# Altium PCB MU_MP_39_V1.PcbDoc (part 10 of 15) (continued)
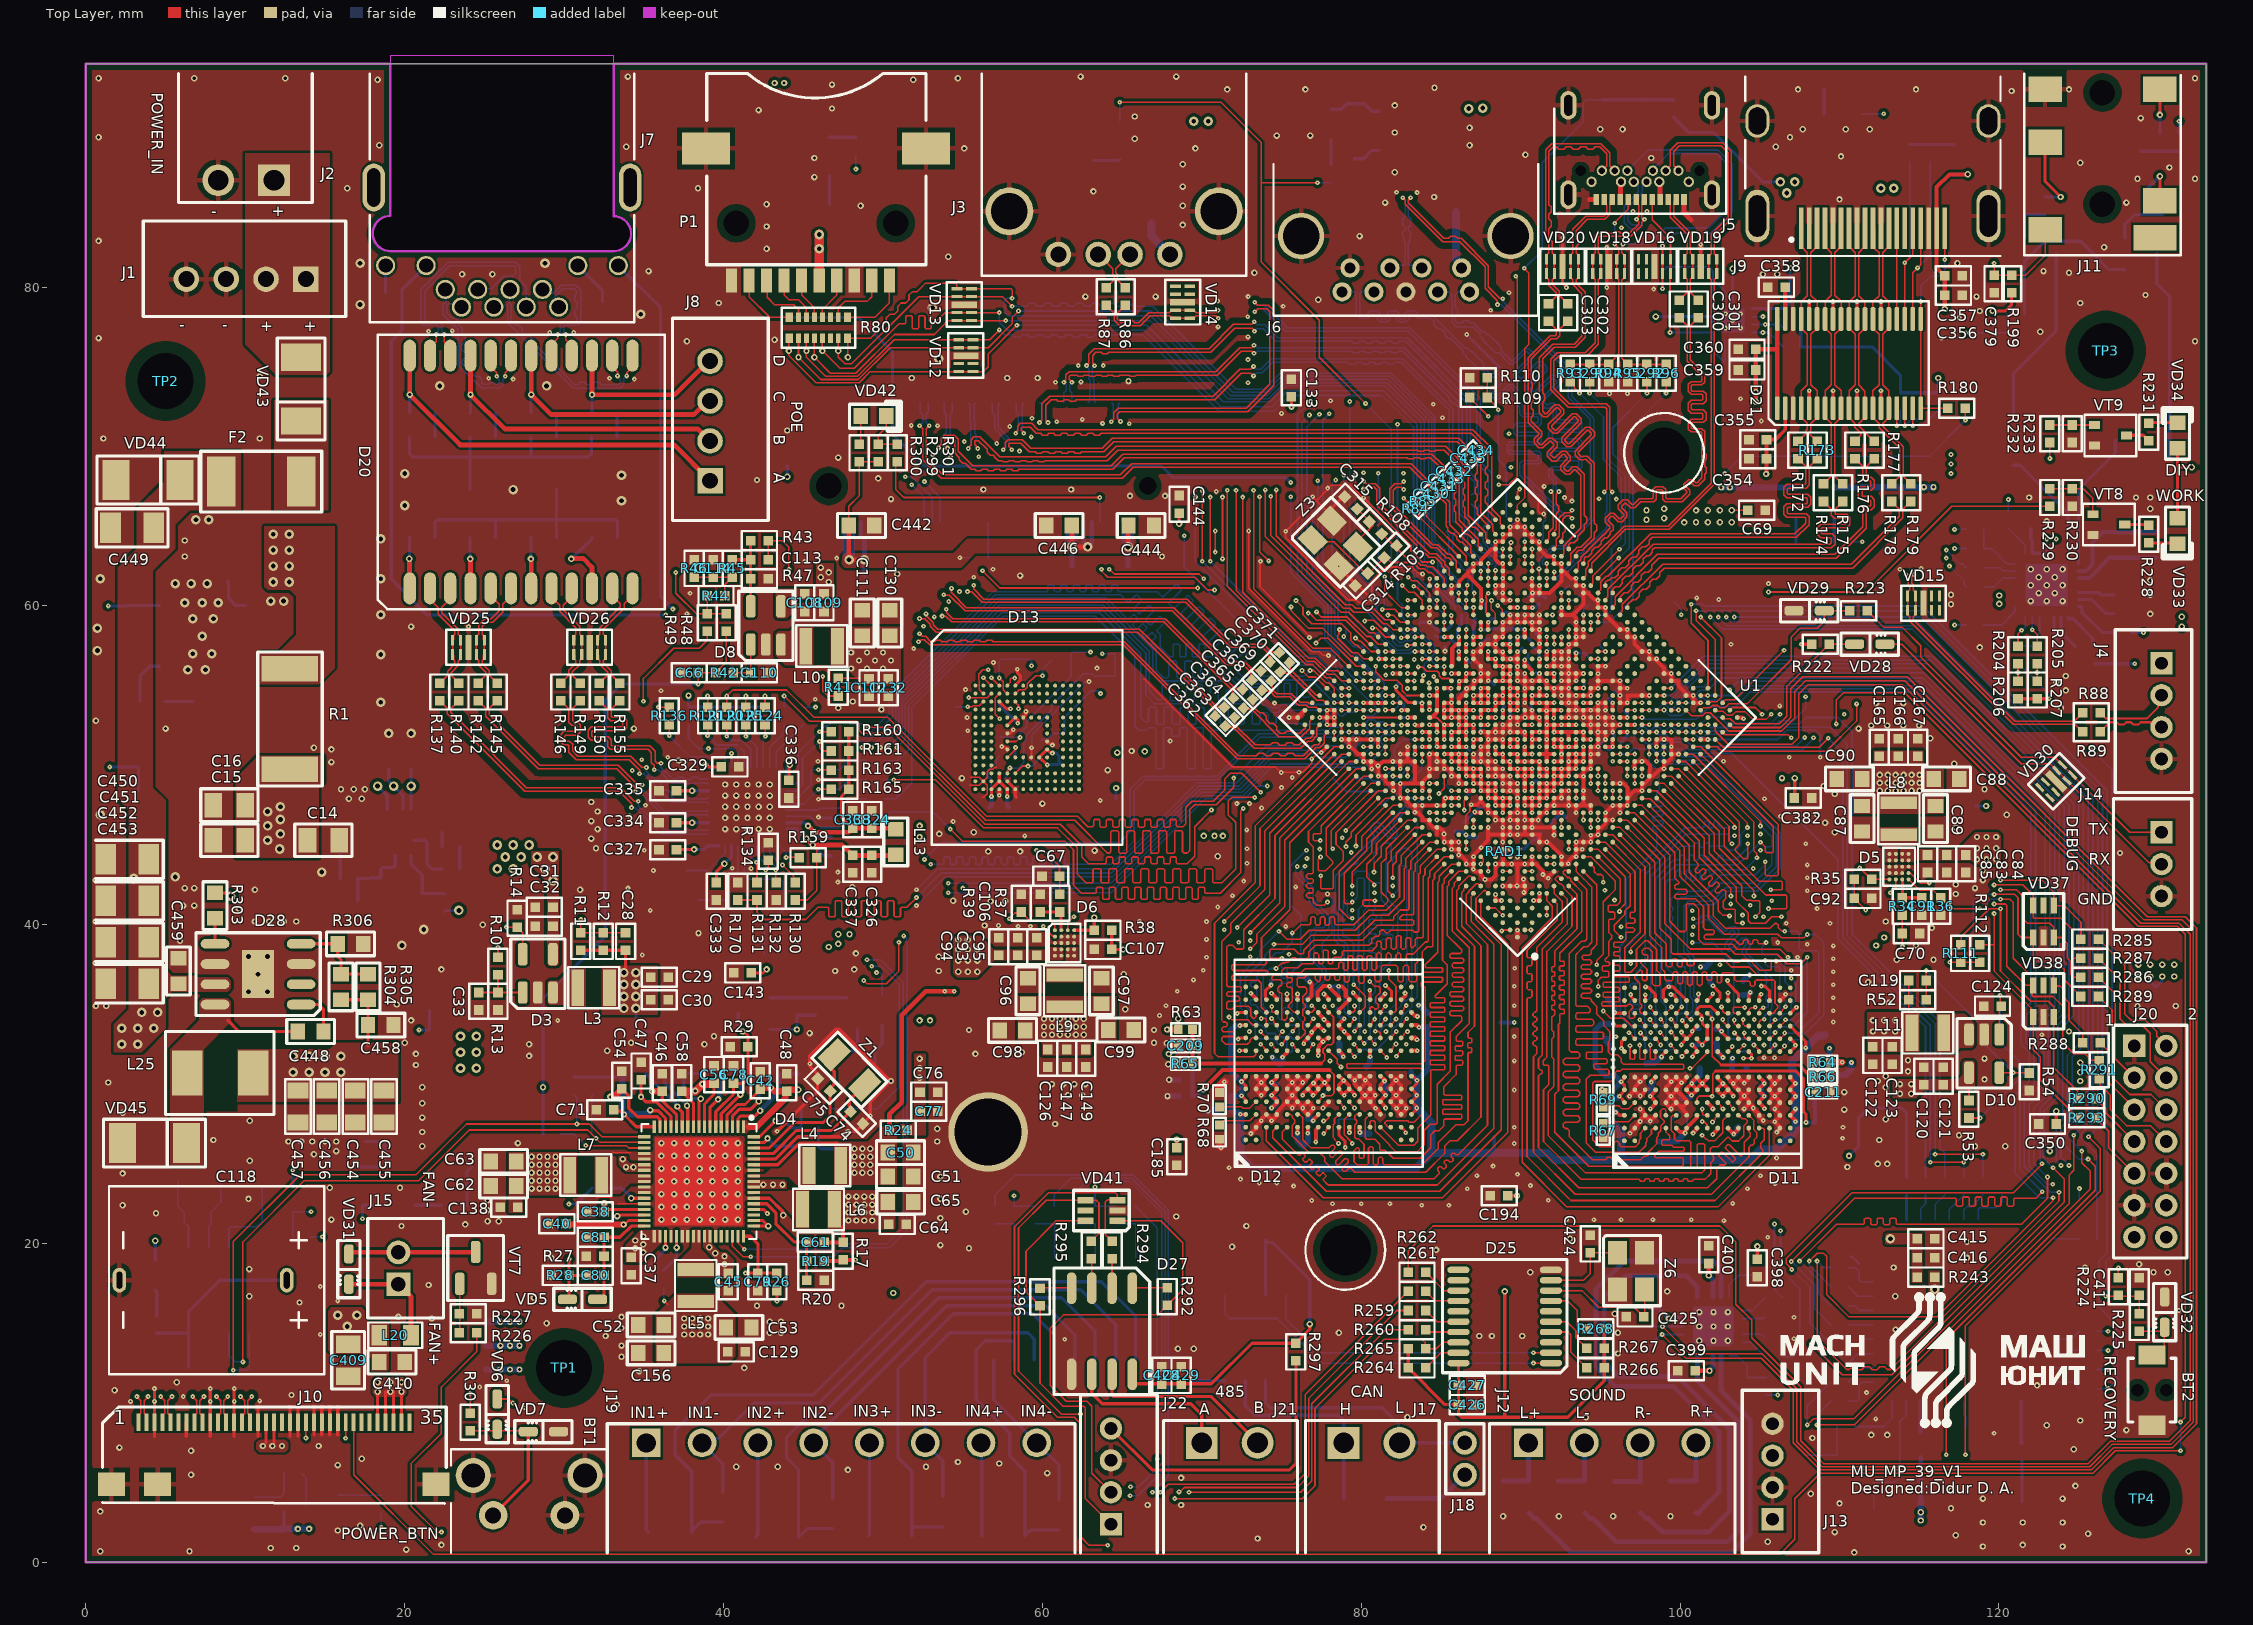
[diagram p0: Top Layer view]
## Nets (pads, with @x,y where several pads share a name; then routed paths per layer and width w, separated by ;. In a path a pad name is that pad's centre, name@x,y a point inside that pad or via, vN(x,y) a via of type N, cw(c..) or ccw(c..) an arc to the next point about the centre after c; other vN are vias at no path point) (continued)
NetC387_1: C387.1 D22.22 | length 2.7
  Bottom Layer w0.2: D22.22@124.35,59.3 124.35,59.217 124.375,59.192 124.658,59.192 125.892,57.958 125.892,57.583 C387.1@126,57.475
NetC388_1: C388.1 D23.20 | length 1.8
  Bottom Layer w0.1: D23.20@103.925,13.8 104.425,13.8 C388.1@105.325,12.9
NetC389_1: C389.1 D22.23 | length 2.2
  Bottom Layer w0.2: D22.23@123.9,59.3 123.9,58.35 124.575,57.675 124.6,57.675 C389.1@124.8,57.475
NetC390_1: C390.1 D22.24 | length 1.9
  Bottom Layer w0.2: D22.24@123.45,59.3 123.45,58.325 123.575,58.2 123.575,57.5 C390.1@123.6,57.475
NetC391_2: C391.2 D22.9 D22.10 | length 2
  Bottom Layer w0.2: C391.2@122,64.85 122,64.15 122.1,64.05 D22.9@122.1,63.3 D22.10@122.55,63.3
NetC396_1: C396.1 D22.19 | length 2.3
  Bottom Layer w0.2: D22.19@125,60.85 126.25,60.85 126.425,60.675 127.175,60.675 C396.1@127.225,60.725
NetC397_1: C397.1 D22.20 | length 2.6
  Bottom Layer w0.2: D22.20@125,60.4 125.825,60.4 126.7,59.525 C397.1@127.225,59.525
NetC412_1: C412.1 D24.2 L21.1 | length 2.7
  Bottom Layer w0.2: D24.2@121.4,10.112 121.4,7.5 C412.1@121.45,7.45
NetC413_1: C413.1 C414.1 D24.23 L24.1
NetC415_1: C415.1 C416.1 D24.22 R243.1
  other v3: 113.2,20.3
NetC421_1: C421.1 R255.1 Z5.3 | length 3.7
  Bottom Layer w0.1: C421.1@108,6.725 Z5.3@109.85,6.725 R255.1@109.85,8.525
NetC424_1: C424.1 D25.9 Z6.1 | length 5.7
  Top Layer w0.1: D25.9@91.9,17.7 93.95,17.7 94.375,18.125 C424.1@94.375,19.425 Z6.1@96.075,19.425
NetC425_1: C425.1 D25.8 Z6.3 | length 8.3
  Top Layer w0.1: D25.8@91.9,17.05 93.85,17.05 94.9,16 97.125,16 C425.1@97.725,15.4 97.775,15.45 Z6.3@97.775,17.125
NetC448_1: C448.1 D28.8 L25.2 VD45.2 | length 4.7
  Top Layer w0.2: 8.9,34 9.6,33.3 C448.1@13.3,33.3
NetC448_2: C448.2 D28.1 | length 2.9
  Top Layer w0.2: D28.1@13.5,34.995 14.605,34.995 14.9,34.7 C448.2@14.9,33.3
NetC460_1: C460.1 D29.6 L26.2 | length 2.5
  Bottom Layer w0.2: C460.1@23.9,22.4 23.9,24.5 L26.2@24.2,24.8
NetC460_2: C460.2 D29.1 | length 1.6
  Bottom Layer w0.2: D29.1@20.65,22.4 C460.2@22.3,22.4
NetC461_2: C461.2 D29.3 R308.1 R310.2 | length 17.4
  POWER_2 w0.2: v1(17.35,21.55) 17.35,29.35 20.9,32.9 v1(20.9,33.4)
  Bottom Layer w0.2: v1(17.35,21.55) 17.35,22.4 R310.2@17.45,22.4 D29.3@18.75,22.4 ; v1(20.9,33.4) C461.2@21.55,33.4 R308.1@21.55,34.6
NetC468_2: C468.2 D29.4 R307.1 R309.2 | length 4.3
  Bottom Layer w0.2: C468.2@17.1,24.8 D29.4@18.75,24.8 R307.1@18.75,26.3 ; R309.2@17.55,26.4 R307.1@18.65,26.4
NetD1_4: D1.4 R3.1 R4.1 R5.2 | length 16.6
  Inner_Layer w0.2: v1(1.4,60) 1.4,50.027 1.5,49.927 v1(1.5,49.9)
  Bottom Layer w0.2: v1(1.4,60) R5.2@2.5,60 2.52,60.02 D1.4@4.6,60.02 ; v1(1.5,49.9) R4.1@3.3,49.9 R3.1@3.3,48.4
NetD1_5: D1.5 R2.2 | length 2.3
  Bottom Layer w0.2: R2.2@8.9,61.55 8.95,61.5 8.95,60.47 9.4,60.02 D1.5@10,60.02
NetD2_3: D2.3 R8.2 | length 12.5
  POWER_2 w0.2: v3(18.3,48.7) 23.4,43.6 v3(23.4,40.9)
  Bottom Layer w0.2: v3(18.3,48.7) 18.9,48.1 D2.3@18.9,47.25 ; R8.2@22.5,40.85 22.55,40.9 v3(23.4,40.9)
NetD2_8: D2.8 R6.1 | length 3.3
  Bottom Layer w0.2: D2.8@20.6,45.3 21.283,45.3 21.4,45.183 21.4,43.8 21.7,43.5 R6.1@22.35,43.5
NetD3_3: D3.3 L3.2
NetD4_25: D4.25 D4.26 L7.1
NetD4_29: D4.29 R18.2 | length 2.5
  Top Layer w0.2: v2(34.207,22.845) D4.29@35.022,22.845
  Bottom Layer w0.2: R18.2@32.85,23.475 33.625,23.475 34.207,22.893 v2(34.207,22.845)
NetD4_39: D4.39 R15.2 | length 2.5
  Top Layer w0.2: v2(37.057,19.745) D4.39@37.057,20.46
  Bottom Layer w0.2: R15.2@36.25,18.325 37.057,19.132 v2(37.057,19.745)
NetD4_42: D4.42 D4.43 L5.1
NetD4_58: D4.58 L6.2
NetD4_61: D4.61 L4.2
NetD5_D3: D5.D3 D5.D4 D5.E3 D5.E4 L8.2
NetD6_D3: D6.D3 D6.D4 D6.E3 D6.E4 L9.2
NetD7_3: D7.3 R40.1 | length 1.5
  Bottom Layer w0.2: R40.1@109.675,64.025 D7.3@109.675,65.525
NetD8_3: D8.3 L10.2
NetD10_3: D10.3 L11.2
NetD13_K5: D13.K5 R79.2 | length 1.4
  Top Layer w0.12: D13.K5@57.8,50.5 57.813,50.5 58.286,50.973 58.286,51.076 v1(58.32,51.11)
  Bottom Layer w0.11: R79.2@58.2,50.6 58.32,50.72 v1(58.32,51.11)
NetD14_3: D14.3 R82.1 | length 1.7
  Bottom Layer w0.2: D14.3@46.65,89.4 48.25,89.4 R82.1@48.3,89.35
NetD15_3: D15.3 R83.1 | length 1.7
  Bottom Layer w0.2: R83.1@63.2,87.95 64.8,87.95 D15.3@64.85,88
NetD16_3: D16.3 R90.1 | length 1.6
  Bottom Layer w0.2: D16.3@109,90.85 109.05,90.9 R90.1@109.05,92.4
NetD18_3: D18.3 R102.1 | length 1.8
  Bottom Layer w0.2: R102.1@79.6,88.05 80.15,88.05 80.667,88.567 81.117,88.567 D18.3@81.15,88.6
NetD18_4: D18.4 R103.1 VD21.2 | length 3.4
  Bottom Layer w0.2: VD21.2@78.1,91.15 78.75,91.15 79.1,91.5 R103.1@79.6,91.5 80.2,91.5 80.667,91.033 81.117,91.033 D18.4@81.15,91
NetD20_1: D20.1 R138.1 | length 3.2
  Top Layer w0.3: D20.1@20.295,61.105 v2@20.295,62.938
  Bottom Layer w0.2: v2(20.28,62.953) 20.3,62.973 R138.1@20.3,64.3
NetD20_4: D20.4 R143.1 | length 3.2
  Top Layer w0.3: D20.4@24.12,61.103 v2@24.12,62.935
  Bottom Layer w0.2: R143.1@24.1,64.3 24.1,62.955 v2(24.105,62.95)
NetD20_7: D20.7 R147.1 | length 3.2
  Top Layer w0.3: D20.7@27.93,61.103 v2@27.93,62.935
  Bottom Layer w0.2: v2(27.915,62.95) 27.915,64.29 R147.1@27.925,64.3
NetD20_10: D20.10 R152.1 | length 4.7
  Top Layer w0.3: v2(30.45,62.95) 30.469,62.969 30.54,62.969 30.546,62.975 31.2,62.975 31.74,62.435 D20.10@31.74,61.103
  Bottom Layer w0.2: v2(30.45,62.95) 31.375,63.875 31.4,63.875 31.75,64.225 R152.1@31.75,64.275
NetD22_1: D22.1 R208.2 | length 2.6
  Bottom Layer w0.1: R208.2@119.025,58.8 120.175,58.8 121,59.625 D22.1@121,59.95
NetD22_5: D22.5 R209.2 | length 2.2
  Bottom Layer w0.1: R209.2@119.05,61.2 119.7,61.2 120.25,61.75 D22.5@121,61.75
NetD22_6: D22.6 R210.2 | length 2
  Bottom Layer w0.1: R210.2@119.05,62.4 120.05,62.4 120.25,62.2 D22.6@121,62.2
NetD22_7: D22.7 R211.2 R212.2 | length 3.5
  Bottom Layer w0.1: R211.2@119.05,64.8 R212.2@119.05,63.6 119.55,63.6 120.5,62.65 D22.7@121,62.65
NetD22_8: D22.8 R213.2 | length 2
  Bottom Layer w0.1: R213.2@120.6,64.85 121.65,63.8 D22.8@121.65,63.3
NetD22_26: D22.26 R214.1 R215.2 | length 3.1
  Bottom Layer w0.1: R214.1@121.2,57.475 122.4,57.475 122.4,58.125 122.55,58.275 D22.26@122.55,59.3
NetD23_2: D23.2 L16.2 | length 27.3
  Bottom Layer w0.3: L16.2@90.525,3.1 90.875,2.75 91.025,2.75 93.175,0.6 103.2,0.6 104.4,1.8 104.4,8.95 102.575,10.775 D23.2@102.575,12.95
NetD23_5: D23.5 L17.2 | length 22.7
  Bottom Layer w0.3: L17.2@94.025,3.1 94.375,2.75 94.55,2.75 96,1.3 103,1.3 103.7,2 103.7,8.775 101.075,11.4 D23.5@101.075,12.95
NetD23_11: D23.11 L15.2 | length 32.8
  Bottom Layer w0.3: L15.2@97.525,3.1 97.875,2.75 98.05,2.75 98.9,1.9 101.8,1.9 103.1,3.2 103.1,8.375 99.813,11.662 96.163,11.662 95.25,12.575 95.25,16.65 96.575,17.975 100.4,17.975 101.075,17.3 D23.11@101.075,16.65
NetD23_14: D23.14 L14.2 | length 30.6
  Bottom Layer w0.3: L14.2@101,3.1 101.15,3.1 101.5,3.45 101.5,3.475 102.45,4.425 102.45,8.15 99.562,11.038 95.938,11.038 94.725,12.25 94.725,17.125 96.5,18.9 102.1,18.9 102.575,18.425 D23.14@102.575,16.65
NetD24_6: D24.6 R244.2 | length 1.6
  Bottom Layer w0.1: D24.6@117.8,10.112 117.8,9.25 117.925,9.125 117.925,8.575 R244.2@117.9,8.55
NetD24_7: D24.7 R245.2 | length 1.6
  Bottom Layer w0.1: R245.2@116.7,8.55 116.7,9.05 116.9,9.25 D24.7@116.9,10.112
NetD24_9: D24.9 L23.2 | length 1.9
  Bottom Layer w0.3: L23.2@115.1,8.2 D24.9@115.1,10.112
NetD24_12: D24.12 R234.2 | length 2.6
  Bottom Layer w0.1: R234.2@110.55,10.1 111.075,10.1 111.25,10.275 111.25,11.125 111.425,11.3 D24.12@112.112,11.3
NetD24_13: D24.13 R235.2 | length 1.9
  Bottom Layer w0.1: R235.2@110.55,11.3 111.45,12.2 D24.13@112.112,12.2
NetD24_14: D24.14 R241.2 | length 1.8
  Bottom Layer w0.1: R241.2@110.55,12.5 111.15,13.1 D24.14@112.112,13.1
NetD24_15: D24.15 R242.2 | length 1.7
  Bottom Layer w0.1: R242.2@110.55,13.7 111.125,13.7 111.425,14 D24.15@112.112,14
NetD24_16: D24.16 R237.2 | length 1.6
  Bottom Layer w0.1: R237.2@110.55,14.9 D24.16@112.112,14.9
NetD24_17: D24.17 R238.2 | length 1.7
  Bottom Layer w0.1: R238.2@110.55,16.1 110.975,16.1 111.275,15.8 D24.17@112.112,15.8
NetD24_18: D24.18 R239.2 | length 1.8
  Bottom Layer w0.1: R239.2@110.55,17.3 111.15,16.7 D24.18@112.112,16.7
NetD24_19: D24.19 R240.2 | length 2.3
  Bottom Layer w0.1: R240.2@110.55,18.5 110.575,18.475 111.025,18.475 111.2,18.3 111.2,17.75 111.35,17.6 D24.19@112.112,17.6
NetD24_21: D24.21 L24.2
NetD24_24: D24.24 R236.2 | length 1.6
  Bottom Layer w0.2: D24.24@114.2,21.488 R236.2@114.2,23.05
NetD24_25: D24.25 R246.2 | length 1.7
  Bottom Layer w0.1: D24.25@115.1,21.488 115.1,22.2 115.4,22.5 R246.2@115.4,23.05
NetD24_26: D24.26 R247.2 | length 1.8
  Bottom Layer w0.1: D24.26@116,21.488 116,22.45 R247.2@116.6,23.05
NetD24_27: D24.27 R248.2 | length 1.9
  Bottom Layer w0.1: D24.27@116.9,21.488 116.9,22.15 R248.2@117.8,23.05
NetD24_28: D24.28 R249.2 | length 2.2
  Bottom Layer w0.1: D24.28@117.8,21.488 117.8,22.125 118,22.325 118.3,22.325 118.75,22.775 118.75,22.8 R249.2@119,23.05
NetD24_34: D24.34 R250.2 | length 1.6
  Bottom Layer w0.1: D24.34@123.488,20.3 R250.2@125.05,20.3
NetD24_41: D24.41 R251.2 | length 1.8
  Bottom Layer w0.1: D24.41@123.488,14 124.55,14 R251.2@125.05,14.5
NetD24_42: D24.42 R252.2 | length 1.6
  Bottom Layer w0.1: D24.42@123.488,13.1 124.3,13.1 124.5,13.3 R252.2@125.05,13.3
NetD24_43: D24.43 R253.2 | length 1.6
  Bottom Layer w0.1: D24.43@123.488,12.2 124.3,12.2 124.4,12.1 R253.2@125.05,12.1
NetD24_44: D24.44 R254.2 | length 1.7
  Bottom Layer w0.1: D24.44@123.488,11.3 124.65,11.3 R254.2@125.05,10.9
NetD25_1: D25.1 D26.1 | length 22.9
  Top Layer w0.1: v1(90.8,12.5) D25.1@91.9,12.5
  Bottom Layer w0.1: D26.1@71.46,16.8 71.46,15.59 71.75,15.3 74.725,15.3 77.525,12.5 v1(90.8,12.5)
NetD25_2: D25.2 D26.4 | length 19
  Top Layer w0.1: v1(90.8,13.15) D25.2@91.9,13.15
  Bottom Layer w0.1: D26.4@75.27,16.8 75.27,15.28 77.4,13.15 v1(90.8,13.15)
NetD25_4: D25.4 R266.1 | length 3.8
  Top Layer w0.1: D25.4@91.9,14.45 92.975,14.45 93.15,14.275 93.15,13.2 R266.1@94.15,12.2
NetD25_5: D25.5 R267.1 | length 3.2
  Top Layer w0.1: D25.5@91.9,15.1 92.9,15.1 93.475,14.525 93.475,14.1 R267.1@94.15,13.425
NetD25_7: D25.7 R268.1 | length 3.5
  Top Layer w0.1: D25.7@91.9,16.4 92.95,16.4 93.55,15.8 93.55,14.85 93.75,14.65 R268.1@94.15,14.65
NetD25_19: D25.19 R264.1 | length 2.4
  Top Layer w0.1: R264.1@84.05,12.2 85,13.15 85.225,13.15 D25.19@86.1,13.15
NetD26_8: D26.8 R263.1 | length 2
  Bottom Layer w0.2: R263.1@69.425,11.4 D26.8@71.46,11.4
NetD27_1: D27.1 R292.2 | length 2.2
  Top Layer w0.1: D27.1@65.64,17.2 65.665,17.225 R292.2@67.825,17.225
NetD27_2: D27.2 R294.2 | length 2.3
  Top Layer w0.1: D27.2@64.37,16.6 64.37,18.87 R294.2@64.375,18.875
NetD27_3: D27.3 R295.2 | length 2.3
  Top Layer w0.1: D27.3@63.1,16.6 63.1,18.85 R295.2@63.125,18.875
NetD27_4: D27.4 R296.2 | length 2
  Top Layer w0.1: R296.2@59.85,17.225 61.805,17.225 D27.4@61.83,17.2
NetD28_4: D28.4 R304.1 R305.1 R306.2 | length 6
  Top Layer w0.2: D28.4@13.5,38.805 15.795,38.805 R306.2@15.8,38.8 15.8,38 16,37.8 R304.1@16,36.9 R305.1@17.7,36.9
NetD28_5: D28.5 R303.2 | length 1.6
  Top Layer w0.2: D28.5@8.1,38.805 R303.2@8.1,40.4
NetF1_1: F1.1 VD1.2
NetF2_1: F2.1 VD43.2
NetJ7_9: J7.9 R166.1 | length 1.7
  Bottom Layer w0.2: R166.1@18.8,79.65 J7.9@18.8,81.35
NetJ7_11: J7.11 R169.1 | length 2.9
  Bottom Layer w0.2: J7.11@30.86,81.35 32.4,79.81 R169.1@32.4,79.1
NetJ18_2: J18.2 R258.2 | length 5.5
  Bottom Layer w0.3: R258.2@81.6,4 85,4 J18.2@86.5,5.5
NetJ20_2: J20.2 R285.1 | length 9
  Top Layer w0.1: R285.1@126.25,39.1 127.9,37.45 127.9,34.4 128.3,34 129.2,34 129.9,33.3 129.9,33 J20.2@130.5,32.4
NetJ20_3: J20.3 R286.2 | length 7.2
  Top Layer w0.1: R286.2@126.25,36.7 127.3,35.65 127.3,31.6 J20.3@128.5,30.4
NetJ20_4: J20.4 R287.1 | length 9.8
  Top Layer w0.1: R287.1@126.25,37.9 127.6,36.55 127.6,34.1 128,33.7 129,33.7 129.5,33.2 129.5,31.4 J20.4@130.5,30.4
NetJ20_5: J20.5 R288.2 | length 5.1
  Top Layer w0.1: R288.2@126.35,32.6 126.9,32.05 126.9,30.1 127.5,29.5 128.5,28.5 J20.5@128.5,28.4
NetJ20_6: J20.6 R289.1 | length 9.6
  Top Layer w0.1: R289.1@126.25,35.5 127.1,34.65 127.1,30.456 128.206,29.35 129.55,29.35 J20.6@130.5,28.4
NetJ20_7: J20.7 R290.2 | length 3.7
  Top Layer w0.1: R290.2@126.05,29.1 126.7,28.45 126.7,28.2 J20.7@128.5,26.4
NetJ20_8: J20.8 R291.1 | length 6.6
  Top Layer w0.1: R291.1@126.3,30.35 126.341,30.309 126.341,29.959 127,29.3 127,28.4 128,27.4 129.5,27.4 J20.8@130.5,26.4
NetJ20_9: J20.9 R293.2 | length 4.5
  Top Layer w0.1: R293.2@126.05,27.9 126.9,27.05 126.9,26 J20.9@128.5,24.4
NetJ22_4: J22.4 R297.2 | length 19.3
  Top Layer w0.2: J22.4@64.3,8.4 66.9,5.8 75.5,5.8 75.9,6.2 R297.2@75.9,12.65
NetJ23_38: J23.38 R298.1 | length 2.2
  Bottom Layer w0.1: R298.1@56.6,63.025 J23.38@56.6,65.25
NetP1_1: P1.1 R80.7 | length 3.8
  Top Layer w0.1: P1.1@42.7,80.4 42.741,80.359 42.741,79.359 43.2,78.9 44.4,78.9 44.7,78.6 R80.7@44.7,78.1
NetP1_2: P1.2 R80.6 | length 3.2
  Top Layer w0.1: P1.2@43.8,80.4 43.8,79.5 44.1,79.2 44.7,79.2 45.2,78.7 R80.6@45.2,78.1
NetP1_3: P1.3 R80.5 | length 2.6
  Top Layer w0.1: P1.3@44.9,80.4 44.9,79.5 45.7,78.7 R80.5@45.7,78.1
NetP1_5: P1.5 R80.4 | length 2.7
  Top Layer w0.1: R80.4@46.2,78.1 46.2,78.6 47.1,79.5 P1.5@47.1,80.4
NetP1_7: P1.7 R80.2 | length 4
  Top Layer w0.1: R80.2@47.2,78.1 47.2,78.7 47.6,79.1 49,79.1 49.3,79.4 P1.7@49.3,80.4
NetP1_8: P1.8 R80.1 | length 4.4
  Top Layer w0.1: R80.1@47.775,78.1 49.5,78.1 50.4,79 P1.8@50.4,80.4
NetP1_9: P1.9 R80.8 | length 4.1
  Top Layer w0.1: P1.9@41.6,80.4 41.6,79.4 42.9,78.1 R80.8@44.125,78.1
NetR21_2: R21.2 VD4.2 | length 1.5
  Bottom Layer w0.2: R21.2@37.5,31.775 VD4.2@37.5,33.275
NetR32_1: R32.1 R33.2 VT2.1 | length 2.5
  Bottom Layer w0.2: R33.2@47.3,32.075 R32.1@48.4,32.075 VT2.1@48.4,33.425
NetR50_2: R50.2 VD9.2 | length 1.6
  Bottom Layer w0.2: VD9.2@4.35,17.075 4.45,16.975 R50.2@4.45,15.475
NetR76_2: R76.2 U1.L29 | length 1.3
  Top Layer w0.25: v1@81.099,56.677 U1.L29@81.527,56.677
  Bottom Layer w0.2: R76.2@80.838,57.464 81.1,57.202 81.1,56.678 v1(81.099,56.677)
NetR84_2: R84.2 U1.AC31 | length 3.8
  Top Layer w0.1: R84.2@83.619,65.906 83.602,65.888 83.602,65.782 83.619,65.764 83.619,65.615 U1.AC31@86.123,63.112
NetR85_2: R85.2 U1.AC30 | length 4.8
  Top Layer w0.1: R85.2@84.094,66.381 84.077,66.363 84.077,66.257 84.094,66.239 84.094,65.606 86.583,63.117 U1.AC30@86.583,62.652
NetR97_1: R97.1 U1.AG18 | length 1.2
  Top Layer w0.11: U1.AG18@93.937,58.975 v1(93.937,59.435)
  Bottom Layer w0.11: v1(93.937,59.435) 93.95,59.448 93.95,59.75 R97.1@94.282,60.082
NetR98_2: R98.2 U1.AE21 | length 0.4
  Top Layer w0.11: U1.AE21@91.638,59.435 v1(92.002,59.435)
NetR99_1: R99.1 U1.AG20 | length 1.3
  Top Layer w0.11: U1.AG20@93.017,59.894 v1@93.018,60.353
  Bottom Layer w0.11: v1(93.018,60.354) 93.404,60.354 R99.1@93.707,60.657
NetR100_2: R100.2 U1.AG21 | length 1.2
  Top Layer w0.11: v1(92.543,60.823) 92.558,60.809 U1.AG21@92.558,60.354
  Bottom Layer w0.11: v1(92.543,60.823) 93.012,61.292 R100.2@93.063,61.293
NetR101_2: R101.2 VD21.1 | length 1.6
  Bottom Layer w0.2: R101.2@78.1,87.65 VD21.1@78.1,89.25
NetR104_1: R104.1 U1.U31 | length 70
  Top Layer w0.1: v1(82.925,60.35) 82.929,60.354 U1.U31@83.365,60.354
  Inner_Layer w0.1: v1(49.3,37.4) 49.3,46.4 53,50.1 53,56.2 56.6,59.8 65.4,59.8 69.95,64.35 78.175,64.35 82.175,60.35 v1(82.925,60.35)
  Bottom Layer w0.1: R104.1@45.95,28.45 49.65,28.45 51.025,29.825 51.025,36.25 49.875,37.4 v1(49.3,37.4)
NetR105_1: R105.1 R108.1 U1.Y30 | length 5.4
  Top Layer w0.1: R108.1@81.393,64.432 82.107,63.718 82.143,63.718 82.926,62.935 83.343,62.935 83.734,62.544 84.056,62.544 84.151,62.449 84.481,62.449 85.204,61.726 U1.Y30@85.204,61.273
NetR171_2: R171.2 U1.AF15 | length 1
  Top Layer w0.11: U1.AF15@94.856,57.137 v1@95.315,57.137
  Bottom Layer w0.11: R171.2@94.995,57.559 94.995,57.458 v1(95.316,57.137)
NetR180_1: R180.1 U1.AE15 | length 33.8
  Top Layer w0.1: v1(117.9,71.65) R180.1@117.9,72.4
  Top Layer w0.11: U1.AE15@94.396,56.677 v1@94.855,56.677
  Inner_Layer w0.1: v1(94.856,56.678) 95.337,56.678 95.714,56.301 96.001,56.301 98.8,59.1 98.8,64.3 v1(102.8,68.3)
  Bottom Layer w0.1: v1(102.8,68.3) 103.9,69.4 115.65,69.4 v1(117.9,71.65)
NetR187_1: R187.1 R188.2 VT3.1 | length 3.3
  Bottom Layer w0.1: VT3.1@10.55,4.075 12.2,4.075 R187.1@12.425,4.3 R188.2@12.425,5.6
NetR188_1: R188.1 VT4.3 | length 2.2
  Bottom Layer w0.1: R188.1@13.525,5.6 13.825,5.3 VT4.3@13.825,3.55
NetR189_2: R189.2 R190.2 VT4.1 | length 2.7
  Bottom Layer w0.1: VT4.1@15.825,4.2 R189.2@18.525,4.2
NetR191_1: R191.1 U1.G21 | length 7.2
  Top Layer w0.254: U1.G21@83.365,51.162 83.366,51.14 83.366,50.718 83.375,50.708 v1(83.375,50.696)
  Bottom Layer w0.11: R191.1@78.225,49.2 79.075,48.35 81.451,48.35 83.272,50.171 83.272,50.542 83.375,50.644 v1(83.375,50.696)
NetR195_2: R195.2 R202.2 VT5.2 | length 2.7
  Bottom Layer w0.2: VT5.2@121.6,83.1 R202.2@121.6,84.55 R195.2@122.9,84.55
NetR196_2: R196.2 R203.2 VT6.2 | length 3.5
  Bottom Layer w0.2: VT6.2@127.9,83.1 127.9,83.925 128.525,84.55 R196.2@129.2,84.55 R203.2@130.3,84.55
NetR226_1: R226.1 R227.2 VT7.1 | length 3.1
  Top Layer w0.1: R226.1@23.425,14.4 23.45,14.425 VT7.1@23.45,17.475
NetR228_1: R228.1 VT8.3 | length 1.5
  Top Layer w0.1: R228.1@129.35,65.1 R228.1@129.4,65.05
  Top Layer w0.2: VT8.3@127.9,65.1 R228.1@129.35,65.1
NetR228_2: R228.2 VD33.2 | length 1.8
  Top Layer w0.1: VD33.2@131.15,63.95 VD33.2@131.2,63.9
  Top Layer w0.2: R228.2@129.4,63.95 VD33.2@131.15,63.95
NetR229_1: R229.1 R230.2 VT8.1 | length 3.9
  Top Layer w0.1: R229.1@123.2,67.35 125.3,67.35 125.9,66.75 VT8.1@125.9,65.75
NetR231_1: R231.1 VT9.3 | length 1.5
  Top Layer w0.2: VT9.3@128,70.7 129.05,70.7 R231.1@129.4,70.35
NetR231_2: R231.2 VD34.2 | length 1.8
  Top Layer w0.2: R231.2@129.4,71.45 129.45,71.5 VD34.2@131.2,71.5
NetR232_1: R232.1 R233.2 VT9.1 | length 2.8
  Top Layer w0.1: R232.1@123.2,71.35 VT9.1@126,71.35
NetR271_1: R271.1 R273.1 U2.1 VD35.2 | length 45.4
  Bottom Layer w0.2: R271.1@38,1.875 R271.1@38,1.975 ; VD35.2@39.95,2.525 38.55,2.525 R271.1@38,1.975 ; U2.1@65.845,12.7 65.845,15.455 63.7,17.6 52.7,17.6 45.6,10.5 39.2,10.5 36.95,8.25 36.95,6.775 38,5.725 R273.1@38,4.575 R271.1@38,1.975
NetR272_1: R272.1 R275.1 U2.3 VD36.2 | length 34.6
  Bottom Layer w0.2: VD36.2@46.85,2.125 45.25,2.125 R275.1@44.7,1.575 R272.1@44.7,4.275 44.7,5.825 43.95,6.575 43.95,7.85 45.4,9.3 46.2,9.3 53.5,16.6 61.2,16.6 63.305,14.495 U2.3@63.305,12.7
NetR278_1: R278.1 R279.1 U2.5 VD39.2 | length 26.9
  Bottom Layer w0.2: 51.475,12.675 50.95,12.15 ; R279.1@51.8,1.675 R279.1@51.8,2.275 ; VD39.2@53.75,2.225 51.85,2.225 R279.1@51.8,2.275 ; U2.5@60.765,12.7 60.765,14.235 59.4,15.6 54.4,15.6 50.95,12.15 ; 50.95,12.15 50.95,6.575 51.8,5.725 R278.1@51.8,4.375 R279.1@51.8,2.275
NetR282_1: R282.1 R283.1 U2.7 VD40.2 | length 19
  Bottom Layer w0.2: U2.7@58.225,12.7 58.213,12.712 58.213,13.783 58.096,13.9 56.4,13.9 55.85,13.35 55.85,10.2 57.95,8.1 57.95,6.675 58.9,5.725 R282.1@58.9,4.425 R283.1@58.9,1.675 59.25,2.025 VD40.2@61.05,2.025
NetR299_1: R299.1 R301.1 VD42.2 | length 3.2
  Top Layer w0.1: VD42.2@50.2,71.9 50.2,71.2 49.7,70.7 R299.1@49.7,70.15 R301.1@50.9,70.15
NetR300_1: R300.1 VD42.1 | length 1.8
  Top Layer w0.1: R300.1@48.5,70.15 48.6,70.25 VD42.1@48.6,71.9
OPTO_IN1: R269.1 R274.1 U2.16 | length 3.4
  Bottom Layer w0.1: R269.1@64.625,21.25 R274.1@65.825,21.25 65.845,21.23 U2.16@65.845,19.1
OPTO_IN2: R281.1 R284.1 U2.10 | length 3.4
  Bottom Layer w0.1: R284.1@57.025,21.25 R281.1@58.225,21.25 U2.10@58.225,19.1
OPTO_IN3: R277.1 R280.1 U2.12 | length 3.4
  Bottom Layer w0.1: R277.1@59.55,21.25 R280.1@60.75,21.25 60.765,21.235 U2.12@60.765,19.1
OPTO_IN4: R270.1 R276.1 U2.14 | length 3.5
  Bottom Layer w0.1: R276.1@62,21.25 R270.1@63.3,21.25 63.305,21.245 U2.14@63.305,19.1
OTP_OUT_H: U1.P26 VD8.1 | length 61.4
  Top Layer w0.11: v1(83.827,56.678) U1.P26@84.285,56.677
  Inner_Layer w0.1: v1(49.6,37) 49.6,46.4 53.2,50 53.2,56.1 56.7,59.6 65.5,59.6 70.05,64.15 78.075,64.15 82.45,59.775 83.127,59.775 83.425,59.477 83.425,58.9 84.127,58.198 84.127,57.473 83.827,57.172 v1(83.827,56.678)
  Bottom Layer w0.102: v1(49.6,37) 49.617,36.983 49.808,36.983 49.95,36.841 VD8.1@49.95,35.6
PCIE_CLKREQ: J23.52 U1.AE6 | length 116.8
  Top Layer w0.1: U1.AE6@98.533,52.54 v1@98.991,52.54
  POWER_1 w0.1: v1(51.4,68.1) 50.6,68.9 50.6,71.8 51.7,72.9 65.5,72.9 66.8,71.6 78.9,71.6 80.1,70.4 90.7,70.4 91.9,71.6 91.9,73.6 92.6,74.3 101.4,74.3 102.8,72.9 102.8,70.9 103.3,70.4 117.4,70.4 118,69.8 118,66.9 116,64.9 116,62 110.3,56.3 v1(110.3,53.2)
  Inner_Layer w0.1: v1(98.992,52.542) 98.992,52.083 100.125,50.95 109.55,50.95 110.3,51.7 v1(110.3,53.2)
  Bottom Layer w0.1: v1(51.4,68.1) 51.8,68.1 53.1,66.8 J23.52@53.1,65.25
PCIE_REF_CLK_N: C431.1 U1.AD30 | length 5.1
  Top Layer w0.08: C431.1@85.069,67.306 85.069,67.185 85,67.116 85,67.05 85.555,66.495 85.555,65.095 86.887,63.763 86.887,63.326 87.042,63.171 U1.AD30@87.042,63.112
PCIE_REF_CLK_P: C430.1 U1.AD31 | length 4.5
  Top Layer w0.08: C430.1@84.594,66.831 84.715,66.831 84.771,66.887 84.838,66.887 85.325,66.4 85.325,65 85.4,64.925 85.428,64.897 85.428,64.761 85.64,64.549 85.776,64.549 85.988,64.337 85.988,64.202 86.2,63.99 86.335,63.99 86.487,63.837 86.557,63.768 86.557,63.597 U1.AD31@86.583,63.571
PCIE_RST: J23.50 U1.AK4 | length 109.2
  Top Layer w0.1: v1(101.305,59.298) 101.305,59.295 102.6,58 102.6,54.275 102.325,54 101.885,54 101.804,53.919 U1.AK4@101.75,53.919
  POWER_1 w0.1: v1(52.6,67.8) 51.2,69.2 51.2,71.6 51.8,72.2 65.4,72.2 66.4,71.2 78.6,71.2 79.9,69.9 91,69.9 92.5,71.4 92.5,73.4 92.9,73.8 101.1,73.8 102.4,72.5 102.4,70.6 103,70 117.2,70 117.6,69.6 117.6,67.1 110.3,59.8 101.8,59.8 101.305,59.305 v1(101.305,59.298)
  Bottom Layer w0.1: v1(52.6,67.8) 53.6,66.8 J23.50@53.6,65.25
PCIE_RX0_N: J23.41 U1.AF31 | length 40.9
  Top Layer w0.08: v1(55.95,69.875) 55.95,69.935 55.755,70.13 55.755,70.328 55.802,70.375 55.975,70.375 56.5,69.85 56.528,69.822 56.528,69.649 56.74,69.437 56.913,69.437 57.05,69.3 57.23,69.12 57.425,69.12 57.465,69.12 57.541,69.044 57.841,69.044 57.917,69.12 58.217,69.12 58.293,69.044 58.593,69.044 58.669,69.12 58.969,69.12 59.046,69.044 59.346,69.044 59.422,69.12 59.722,69.12 59.798,69.044 60.098,69.044 60.174,69.12 60.25,69.12 64.07,69.12 64.725,69.775 83.5,69.775 83.54,69.775 83.6,69.715 83.9,69.715 83.961,69.775 84.261,69.775 84.321,69.715 84.621,69.715 84.681,69.775 85.1,69.775 85.2,69.775 86.495,68.48 86.495,68.2 86.495,68.16 86.416,68.081 86.416,67.781 86.495,67.702 86.495,67.402 86.416,67.323 86.416,67.023 86.495,66.944 86.495,66.644 86.416,66.565 86.416,66.265 86.495,66.186 86.495,65.7 86.495,65.58 86.762,65.312 86.791,65.284 86.791,65.141 87.003,64.929 87.146,64.929 87.25,64.825 87.432,64.643 87.432,64.62 87.502,64.55 U1.AF31@87.502,64.49
  Bottom Layer w0.08: J23.41@55.85,72.75 55.74,72.64 55.74,72.028 55.715,72.003 55.715,71.621 55.75,71.586 55.75,70.975 55.75,70.818 55.864,70.704 55.864,70.404 55.75,70.29 55.75,70.25 55.75,70.066 55.941,69.875 v1(55.95,69.875)
PCIE_RX0_P: J23.43 U1.AF30 | length 41.4
  Top Layer w0.08: v1(55.35,69.875) 55.35,69.935 55.525,70.11 55.525,70.423 55.707,70.605 56.07,70.605 57.325,69.35 63.975,69.35 64.63,70.005 85.295,70.005 86.725,68.575 86.725,65.675 87.806,64.594 87.806,64.246 87.962,64.09 U1.AF30@87.962,64.031
  Bottom Layer w0.08: v1(55.35,69.875) 55.352,69.875 55.52,70.043 55.52,71.491 55.485,71.526 55.485,72.003 55.46,72.028 55.46,72.64 J23.43@55.35,72.75
PCIE_RX1_N: J23.29 U1.AH31 | length 37.7
  Top Layer w0.08: v1(58.825,70.825) 58.825,70.885 58.675,71.035 58.675,71.173 58.722,71.22 59.23,71.22 59.625,70.825 59.85,70.825 59.89,70.825 59.999,70.716 60.299,70.716 60.409,70.825 60.709,70.825 60.818,70.716 61.118,70.716 61.228,70.825 61.528,70.825 61.637,70.716 61.937,70.716 62.047,70.825 62.347,70.825 62.456,70.716 62.756,70.716 62.866,70.825 63.166,70.825 63.275,70.716 63.575,70.716 63.684,70.825 63.825,70.825 86.9,70.825 87.945,69.78 87.945,68.8 87.945,68.76 87.795,68.61 87.795,68.31 87.945,68.16 87.945,67.86 87.795,67.71 87.795,67.41 87.945,67.26 87.945,66.96 87.795,66.81 87.795,66.51 87.945,66.36 87.945,66.125 87.945,66.005 88.379,65.571 88.379,65.452 U1.AH31@88.421,65.41
  Bottom Layer w0.08: v1(58.825,70.825) 58.825,70.885 58.73,70.98 58.73,71.981 58.74,71.991 58.74,72.64 J23.29@58.85,72.75
PCIE_RX1_P: J23.31 U1.AH30 | length 38.2
  Top Layer w0.08: v1(58.325,70.825) 58.325,70.885 58.445,71.005 58.445,71.268 58.627,71.45 59.325,71.45 59.72,71.055 86.995,71.055 88.175,69.875 88.175,66.1 88.726,65.549 88.726,65.165 88.881,65.01 U1.AH30@88.881,64.95
  Bottom Layer w0.08: v1(58.325,70.825) 58.325,70.83 58.5,71.005 58.5,71.988 58.35,72.138 J23.31@58.35,72.75
PCIE_RX2_N: J23.17 U1.AC28 | length 40.7
  Top Layer w0.08: v1(61.85,74.025) 61.85,74.069 61.7,74.219 61.7,74.4 61.77,74.47 62.125,74.47 62.165,74.47 62.24,74.395 62.54,74.395 62.615,74.47 62.915,74.47 62.99,74.395 63.29,74.395 63.365,74.47 63.665,74.47 63.74,74.395 64.04,74.395 64.115,74.47 64.415,74.47 64.49,74.395 64.79,74.395 64.865,74.47 65.465,74.47 65.515,74.42 65.815,74.42 65.865,74.47 65.925,74.47 70.97,74.47 72.47,75.97 73.118,75.97 73.238,75.85 v1(73.275,75.85) ; v1(87.494,62.182) 87.498,62.178 87.498,61.737 U1.AC28@87.502,61.733
  Bottom Layer w0.08: J23.17@61.85,72.75 61.85,73.362 61.715,73.497 61.715,73.727 61.715,73.868 61.85,74.003 v1(61.85,74.025) ; v1(73.275,75.85) 73.307,75.85 73.432,75.975 79.35,75.975 79.39,75.975 79.5,75.865 79.8,75.865 79.909,75.975 80.209,75.975 80.319,75.865 80.619,75.865 80.729,75.975 81.029,75.975 81.138,75.865 81.438,75.865 81.548,75.975 81.848,75.975 81.957,75.865 82.257,75.865 82.367,75.975 82.45,75.975 82.6,75.975 85.5,73.075 85.528,73.047 85.528,72.928 85.74,72.715 85.859,72.715 86.025,72.55 86.108,72.467 86.108,66.65 86.108,66.61 86.042,66.545 86.042,66.245 86.108,66.179 86.108,66.05 86.108,65.842 86.45,65.5 86.45,64.375 86.45,64.335 86.366,64.251 86.366,63.951 86.45,63.867 86.45,63.75 86.45,63.656 86.565,63.54 86.594,63.512 86.594,63.366 86.806,63.154 86.952,63.154 87.028,63.078 87.395,62.711 87.395,62.43 87.452,62.373 87.452,62.224 v1(87.494,62.182)
PCIE_RX2_P: J23.19 U1.AC27 | length 41.1
  Top Layer w0.08: v1(61.35,74.025) 61.35,74.085 61.366,74.085 61.47,74.189 61.47,74.495 61.675,74.7 70.875,74.7 72.375,76.2 73.118,76.2 73.268,76.35 v1(73.275,76.35) ; U1.AC27@87.962,61.273 87.966,61.278 87.966,61.738 v1(87.971,61.742)
  Bottom Layer w0.08: J23.19@61.35,72.75 61.35,73.362 61.485,73.497 61.485,73.632 61.485,73.868 61.35,74.003 v1(61.35,74.025) ; v1(73.275,76.35) 73.287,76.35 73.432,76.205 82.695,76.205 86.338,72.562 86.338,66.027 86.338,65.938 86.68,65.595 86.68,63.751 87.625,62.806 87.625,62.525 87.929,62.221 87.929,61.785 v1(87.971,61.742)
PCIE_RX3_N: J23.5 U1.AF28 | length 46.5
  Top Layer w0.08: v1(64.9,71.575) 64.9,71.585 64.705,71.78 64.705,72.03 64.85,72.175 72.875,72.175 74.5,73.8 74.5,78.55 74.175,78.875 73.732,78.875 73.525,78.875 73.35,79.05 v1(73.325,79.05) ; v1(88.875,63.575) 88.878,63.572 88.878,63.115 U1.AF28@88.881,63.112
  Bottom Layer w0.08: J23.5@64.85,72.75 64.75,72.65 64.75,71.734 64.9,71.584 v1(64.9,71.575) ; v1(73.325,79.05) 73.325,79.016 73.466,78.875 73.925,78.875 75.35,77.45 83.05,77.45 87.475,73.025 87.475,69.05 88.2,68.325 88.2,65.125 87.9,64.825 87.9,64.1 88.67,63.33 88.804,63.33 88.851,63.377 88.851,63.551 v1(88.875,63.575)
PCIE_RX3_P: J23.7 U1.AF27 | length 46.4
  Top Layer w0.08: v1(64.325,71.55) 64.325,71.557 64.475,71.707 64.475,72.125 64.755,72.405 72.78,72.405 74.27,73.895 74.27,78.455 74.08,78.645 73.828,78.645 73.52,78.645 v1(73.325,78.45) ; U1.AF27@89.34,62.652 89.346,62.657 89.346,63.115 v1(89.351,63.12)
  Bottom Layer w0.08: v1(64.325,71.55) 64.325,71.582 64.45,71.707 64.45,72.65 J23.7@64.35,72.75 ; v1(73.325,78.45) 73.373,78.45 73.568,78.645 73.83,78.645 75.255,77.22 82.955,77.22 87.245,72.93 87.245,68.955 87.97,68.23 87.97,65.22 87.67,64.92 87.67,64.005 88.575,63.1 89.331,63.1 v1(89.351,63.12)
PCIE_TX0_N: C433.1 U1.AE31 | length 4.8
  Top Layer w0.08: C433.1@85.544,67.781 85.665,67.781 85.728,67.843 85.794,67.843 85.92,67.717 85.92,67.175 85.92,67.135 85.834,67.049 85.834,66.749 85.928,66.655 85.928,66.355 85.834,66.26 85.834,65.96 85.92,65.874 85.92,65.425 85.92,65.28 86.312,64.887 86.341,64.859 86.341,64.722 86.553,64.51 86.69,64.51 86.837,64.362 87,64.2 87,64.073 U1.AE31@87.042,64.031
PCIE_TX0_P: C432.1 U1.AE30 | length 5.4
  Top Layer w0.08: C432.1@86.019,68.256 86.019,68.135 85.957,68.072 85.957,68.006 86.15,67.813 86.15,65.375 87.347,64.178 87.347,63.786 87.502,63.631 U1.AE30@87.502,63.571